# Altium PCB Telemetry Module PCB.PcbDoc (part 1 of 2) (continued)
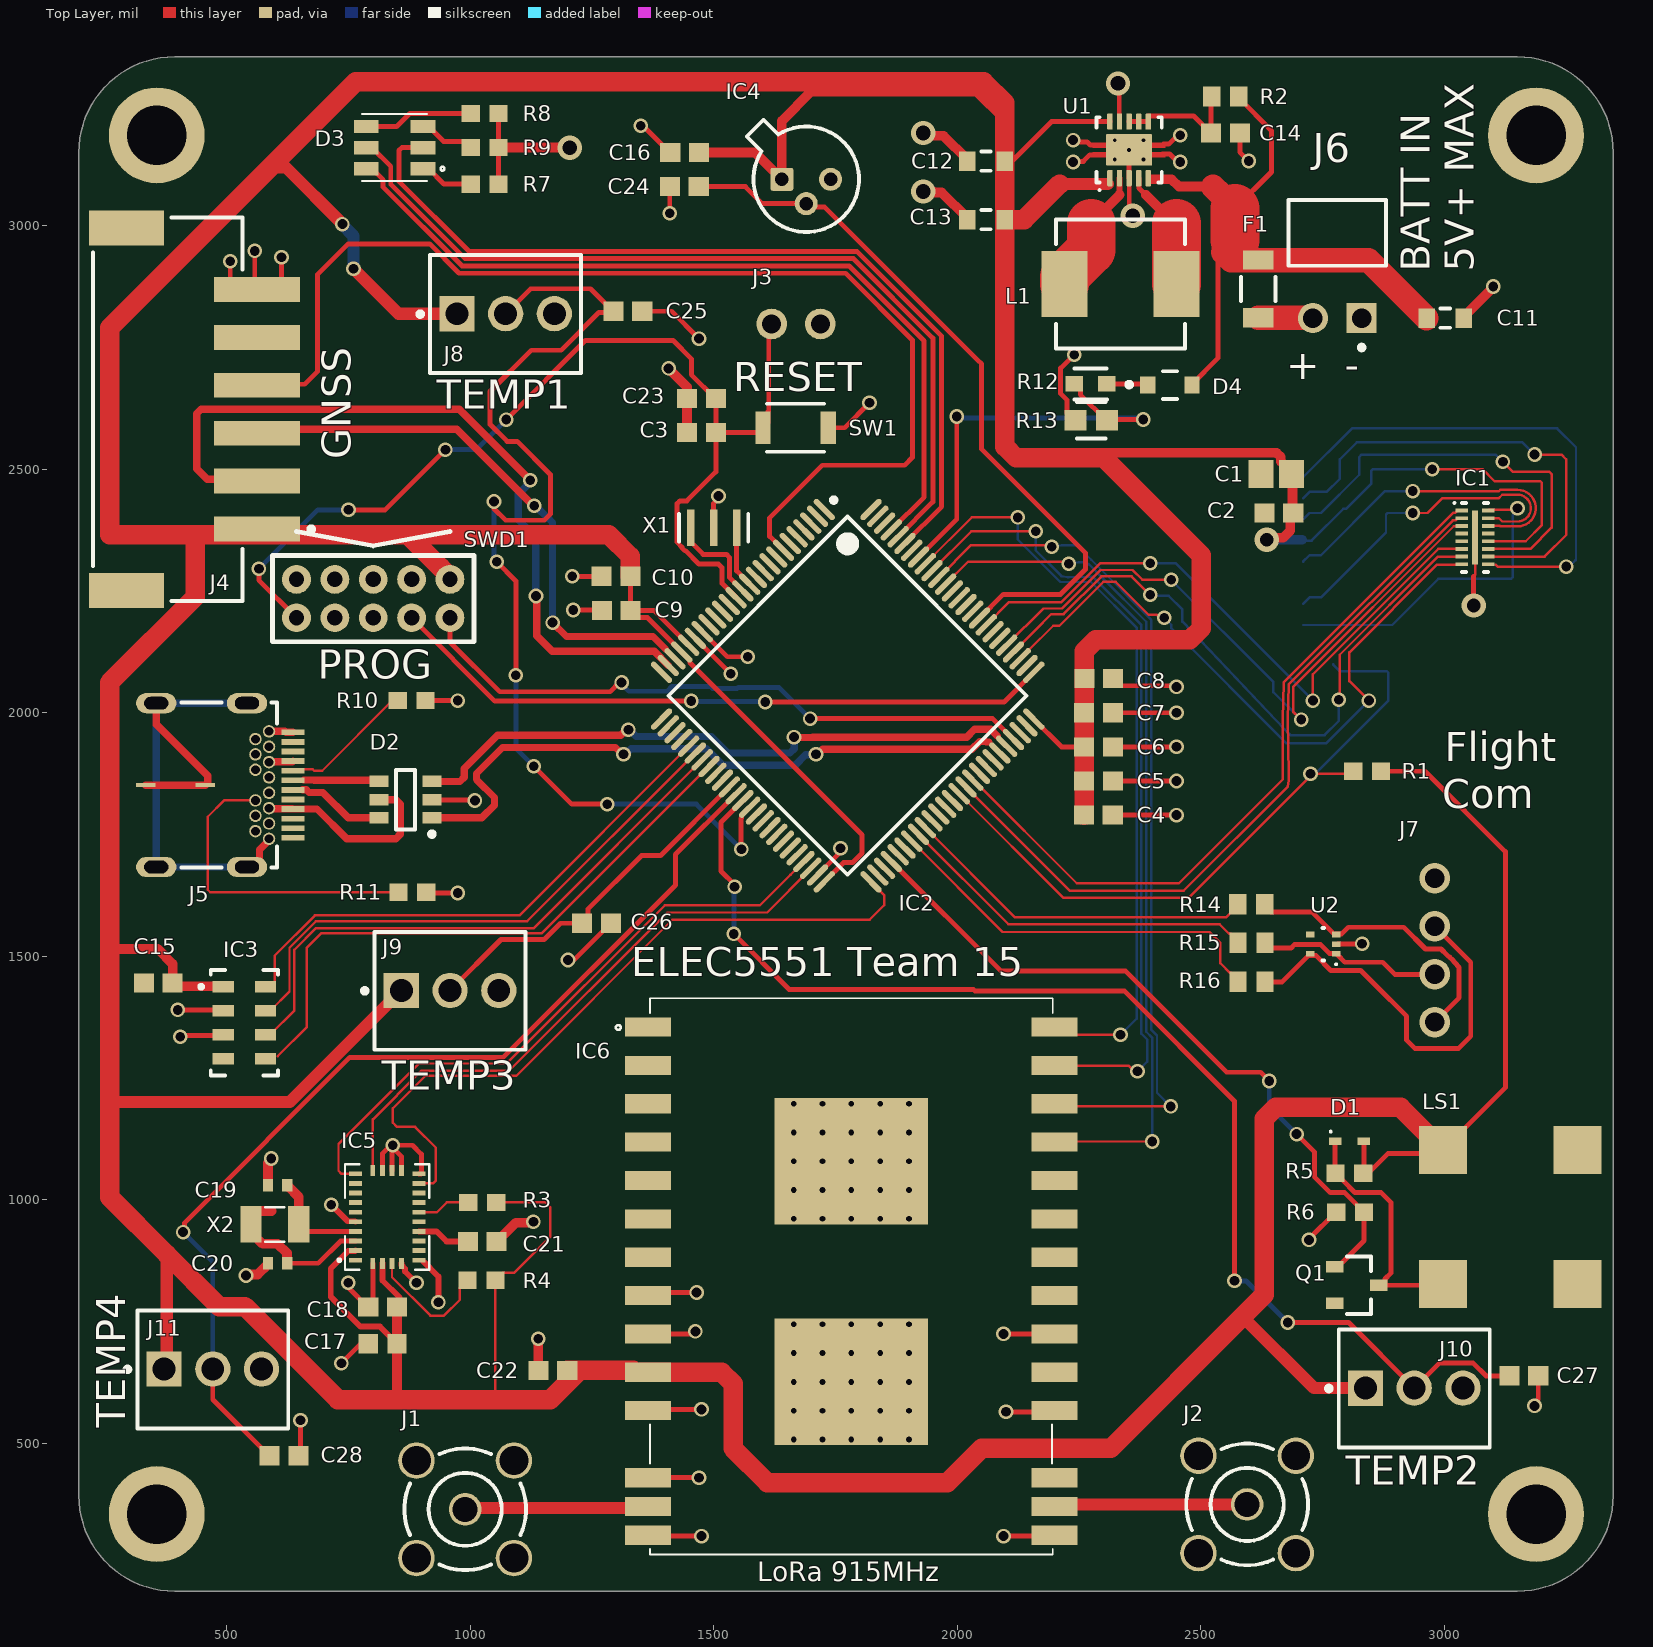
[diagram p0: Top Layer view]
## Footprints (in the part's own frame and the unit in brackets; to place one, negate y for a bottom-side part, rotate by r counter-clockwise, add the part's x,y. Pads: shape width x height; smd on the part's side, far side on the other; paste and mask are expansions set on the pad) (continued)
  rect 0.45x0.3 smd: 1(-0.675,0.5) 2(-0.675,0) 3(-0.675,-0.5) 4(0.675,-0.5) 5(0.675,0.5)
  silkscreen extent -0.72,-0.85 0.05,1.1, body extent -0.6,-0.8 0.6,0.8, height 0.6
PCB.SMAFST.J.A.HT-Footprint-1 [mm]
  round 1.7 hole 1.3: 1(0,0)
  round 1.9 hole 1.5: 2(-2.54,-2.54) 2(-2.54,2.54) 2(2.54,-2.54) 2(2.54,2.54)
  silkscreen extent -3.17,-3.17 3.17,3.17, body extent -3.5,-3.5 3.5,3.5, height 9
RESC1608X06N [mm] "Chip Resistor, 2-Leads, Body 1.60x0.80mm, IPC Medium Density"
  rect 0.95x0.9 smd: 1(-0.725,0) 2(0.725,0)
  body extent -0.85,-0.45 0.85,0.45, height 0.55
RESC1609X50X30ML8T20 [mm] "Chip Resistor, 2-Leads, Body 1.65x0.95mm, IPC Low Density"
  rect 0.9x1.05 smd: 1(-0.7,0) 2(0.7,0)
  body extent -0.82,-0.48 0.82,0.48, height 0.5
RFD900ux-Footprint-1 [mm]
  rect 2.4x1 smd: 1(-0.1,-1.5) 2(-0.1,-3.5) 3(-0.1,-5.5) 4(-0.1,-7.5) 5(-0.1,-9.5) 6(-0.1,-11.5) 7(-0.1,-13.5) 8(-0.1,-15.5) 9(-0.1,-17.5) 10(-0.1,-19.5) 11(-0.1,-21.5) 12(-0.1,-25) 13(-0.1,-26.5) 14(-0.1,-28) 15(21.1,-28) 16(21.1,-26.5) 17(21.1,-25) 18(21.1,-21.5) 19(21.1,-19.5) 20(21.1,-17.5) 21(21.1,-15.5) 22(21.1,-13.5) 23(21.1,-11.5) 24(21.1,-9.5) 25(21.1,-7.5) 26(21.1,-5.5) 27(21.1,-3.5) 28(21.1,-1.5)
  rect 8x6.6 smd paste-8: 29(10.5,-8.5) 30(10.5,-20)
  silkscreen extent -1.78,-29 21,0, body extent 0,-29 21,0, height 4.2
SODFL160X70-2N [mm] "SODFL, 2-Leads, Body 0.80x1.60mm, IPC Medium Density"
  rect 0.65x0.4 smd: 1(0.75,0) 2(-0.75,0)
  silkscreen extent -1.02,0.45 -0.93,0.55, body extent -0.8,-0.45 0.8,0.45, height 0.7
SON40P140X55_HS-17N [mm] "SON, 16-Leads, Body 3.30x1.35mm, Pitch 0.40mm, Thermal Pad 2.80x0.33mm, IPC Medium Density"
  rect 0.65x0.2 smd: 1(-0.69,1.4) 2(-0.69,1) 3(-0.69,0.6) 4(-0.69,0.2) 5(-0.69,-0.2) 6(-0.69,-0.6) 7(-0.69,-1) 8(-0.69,-1.4) 9(0.69,-1.4) 10(0.69,-1) 11(0.69,-0.6) 12(0.69,-0.2) 13(0.69,0.2) 14(0.69,0.6) 15(0.69,1) 16(0.69,1.4)
  rect 0.33x2.8 smd: 17(0,0)
  silkscreen extent -1.12,-1.8 0.68,1.85, body extent -0.72,-1.65 0.72,1.65, height 0.55
SOT95P230X110-3N [mm] "SOT23, 3-Leads, Body 2.90x2.30mm, Pitch 0.95mm, IPC Medium Density"
  rect 0.9x0.6 smd: 1(-1.15,0.95) 2(-1.15,-0.95) 3(1.15,0)
  silkscreen extent -0.5,-1.5 0.75,1.5, body extent -1.3,-1.5 1.3,1.5, height 1.1
SS-52400-003-Footprint-1 [mm]
  oval 1.05x2.1 hole 0.65 slot 1.25 at 90 deg: 0(-4.27,4.73) 0(-4.27,0) 0(4.27,4.73) 0(4.27,0)
  round 0.65 hole 0.45: 0(-2,5.88) 0(2,5.88) 1B(2.8,5.88) 2B(2.4,5.17) 3B(1.6,5.17) 4B(1.2,5.88) 5B(0.8,5.17) 6B(0.4,5.88) 7B(-0.4,5.88) 8B(-0.8,5.17) 9B(-1.2,5.88) 10B(-1.6,5.17) 11B(-2.4,5.17) 12B(-2.8,5.88)
  rect 0.2x1 smd: 0(0,2.55) 0(0,-0.55)
  rect 0.3x1.2 smd: 1A(-2.75,7.13) 2A(-2.25,7.13) 3A(-1.75,7.13) 4A(-1.25,7.13) 5A(-0.75,7.13) 6A(-0.25,7.13) 7A(0.25,7.13) 8A(0.75,7.13) 9A(1.25,7.13) 10A(1.75,7.13) 11A(2.25,7.13) 12A(2.75,7.13)
  silkscreen extent -4.3,1.3 4.3,6.3, body extent -4.37,-4.4 4.37,7.43, height 3.03
TSQFP50P1600X1600X160-100N [mm] "TSQFP, 100-Leads, Body 14.00x14.00mm, Pitch 0.50mm, IPC Medium Density"
  oval 1.45x0.3 smd: 1(-7.725,6) 2(-7.725,5.5) 3(-7.725,5) 4(-7.725,4.5) 5(-7.725,4) 6(-7.725,3.5) 7(-7.725,3) 8(-7.725,2.5) 9(-7.725,2) 10(-7.725,1.5) 11(-7.725,1) 12(-7.725,0.5) 13(-7.725,0) 14(-7.725,-0.5) 15(-7.725,-1) 16(-7.725,-1.5) 17(-7.725,-2) 18(-7.725,-2.5) 19(-7.725,-3) 20(-7.725,-3.5) 21(-7.725,-4) 22(-7.725,-4.5) 23(-7.725,-5) 24(-7.725,-5.5) 25(-7.725,-6) 51(7.725,-6) 52(7.725,-5.5) 53(7.725,-5) 54(7.725,-4.5) 55(7.725,-4) 56(7.725,-3.5) 57(7.725,-3) 58(7.725,-2.5) 59(7.725,-2) 60(7.725,-1.5) 61(7.725,-1) 62(7.725,-0.5) 63(7.725,0) 64(7.725,0.5) 65(7.725,1) 66(7.725,1.5) 67(7.725,2) 68(7.725,2.5) 69(7.725,3) 70(7.725,3.5) 71(7.725,4) 72(7.725,4.5) 73(7.725,5) 74(7.725,5.5) 75(7.725,6)
  oval 0.3x1.45 smd: 26(-6,-7.725) 27(-5.5,-7.725) 28(-5,-7.725) 29(-4.5,-7.725) 30(-4,-7.725) 31(-3.5,-7.725) 32(-3,-7.725) 33(-2.5,-7.725) 34(-2,-7.725) 35(-1.5,-7.725) 36(-1,-7.725) 37(-0.5,-7.725) 38(0,-7.725) 39(0.5,-7.725) 40(1,-7.725) 41(1.5,-7.725) 42(2,-7.725) 43(2.5,-7.725) 44(3,-7.725) 45(3.5,-7.725) 46(4,-7.725) 47(4.5,-7.725) 48(5,-7.725) 49(5.5,-7.725) 50(6,-7.725) 76(6,7.725) 77(5.5,7.725) 78(5,7.725) 79(4.5,7.725) 80(4,7.725) 81(3.5,7.725) 82(3,7.725) 83(2.5,7.725) 84(2,7.725) 85(1.5,7.725) 86(1,7.725) 87(0.5,7.725) 88(0,7.725) 89(-0.5,7.725) 90(-1,7.725) 91(-1.5,7.725) 92(-2,7.725) 93(-2.5,7.725) 94(-3,7.725) 95(-3.5,7.725) 96(-4,7.725) 97(-4.5,7.725) 98(-5,7.725) 99(-5.5,7.725) 100(-6,7.725)
  silkscreen extent -7.85,-6.6 6.6,6.82, body extent -8,-8 8,8, height 1.6
USBLC6-2SC6-Footprint-1 [mm]
  rect 1x0.6 smd: 1(-1.375,0.95) 2(-1.375,0) 3(-1.375,-0.95) 4(1.375,-0.95) 5(1.375,0) 6(1.375,0.95)
  silkscreen extent -1.5,-1.55 0.5,1.92, body extent -1.6,-1.53 1.6,1.53, height 1.45

## Part data
C1: library part CMP-00046-3, "CAP CER 10UF 10V X5R 0805", Capacitance=10uF, Case Code (Imperial)=0805, Case Code (Metric)=2012, Dielectric=X5R, Dielectric Material=Ceramic, JLC_PN=C15850, Max Operating Temperature=85°C, Min Operating Temperature=-55°C, Package Quantity=1, Tolerance=10%, Voltage=10V, Case/Package=0805, Contact Plating=Tin,Matte, Depth=1.25mm, Dissipation Factor=10%, Height=1.25mm, Length=2mm, Mount="Surface Mount", Number of Pins=2, Packaging="Tape and Reel", Radiation Hardening=No, REACH SVHC="No SVHC", Termination=SMD/SMT, Thickness=0.055inch, Voltage Rating=10V, Voltage Rating (DC)=10V, Width=1.2mm
C2 C3 C4 C5 C6 C7 C8 C14 C15 C16 C18 C22 C23 C24 C25 C26 C27 C28: library part CMP-00038-5, "Cap Ceramic 0.1uF 50V X7R 20% SMD 0603 125C T/R", Capacitance=100nF, Case Code (Imperial)=0603, Case Code (Metric)=1608, Dielectric=X7R, Dielectric Material=Ceramic, JLC_PN=C14663, Max Operating Temperature=125°C, Min Operating Temperature=-55°C, Package Quantity=1, Tolerance=20%, Voltage Rating=50V, Case/Package=0603, Contact Plating=Tin,Matte, Depth=0.8mm, Dissipation Factor=2.5%, Height=0.8mm, Lead Pitch=0.7mm, Length=1.6mm, Mount="Surface Mount,PCB", Packaging="Tape and Reel", Radiation Hardening=No, REACH SVHC="No SVHC", Termination=SMD/SMT, Thickness=0.034inch, Voltage Rating (DC)=50V, Width=0.031inch
C9 C21: library part CMP-00045-2, "Cap Ceramic 1uF 10V X5R 10% SMD 0603 85°C Paper T/R", Capacitance=1uF, Case Code (Imperial)=0603, Case Code (Metric)=1608, Dielectric=X5R, Dielectric Material=Ceramic, JLC_PN=C15849, Max Operating Temperature=85°C, Min Operating Temperature=-55°C, Package Quantity=1, Tolerance=10%, Voltage=10V, Case/Package=0603, Depth=0.8mm, Height=0.8mm, Lead Free="Lead Free", Length=1.6mm, Mount="Surface Mount", Number of Pins=2, Packaging="Tape and Reel", Radiation Hardening=No, REACH SVHC="No SVHC", Termination=SMD/SMT, Thickness=0.035inch, Voltage Rating=10V, Voltage Rating (DC)=10V, Weight=7.1E-05oz, Width=0.031inch
C10: library part CMP-00047-2, "Cap Ceramic 0.01uF 50V X7R 5% SMD 0603 125C Paper T/R", Capacitance=10nF, Case/Package=0603, Dielectric=X7R, JLC_PN=C57112, Max Operating Temperature=125°C, Min Operating Temperature=-55°C, Tolerance=5%, Depth=0.8mm, Height=0.8mm, Length=1.6mm, Mount="Surface Mount", Packaging="Tape and Reel", Radiation Hardening=No
C11 C12 C13: library part CMP-2000-05442-2, "CAP CER 10UF 25V X5R 0603", Case Code (Imperial)=0603, Case Code (Metric)=1608, Dielectric=X5R, Dielectric Material=Ceramic, Max Operating Temperature=85°C, Min Operating Temperature=-55°C, Package Quantity=1, Tolerance=20%, Voltage Rating=25V, Capacitance=10uF, Case/Package=0603, Construction=Flat, Depth=0.8mm, Height=0.8mm, Lead Free="Lead Free", Length=1.6mm, Mount="Surface Mount", Packaging="Tape and Reel", REACH SVHC="No SVHC", Resistor Type=Ceramic, RoHS Compliant=Yes, Series=C, Termination=SMD/SMT, Thickness=0.039inch, Voltage Rating (DC)=25V, Weight=7.1E-05oz, Width=0.8mm
C17: library part CMP-00213-1, "MLCC CAPACITOR, 0.12UF, 16V, X7R, 10%, 0603, FULL REEL; Product Range:C Series; Capacitance:0.12 F; Capacitance Tolerance: 10%; Dielectric Characteristic:X7R; Voltage Rating:16V; Ceramic Capacitor Case:0603 [1608 Metric] ;RoHS Compliant: Yes", Capacitance=120nF, Case Code (Imperial)=0603, Case Code (Metric)=1608, Dielectric=X7R, Dielectric Material=Ceramic, Max Operating Temperature=125°C, Min Operating Temperature=-55°C, Package Quantity=1, Tolerance=10%, Voltage Rating=16V, Case/Package=0603, Depth=0.8mm, Dissipation Factor=3.5%, Height=0.8mm, Lead Pitch=0.7mm, Length=1.6mm, Mount="Surface Mount", Packaging="Tape and Reel", Radiation Hardening=No, REACH SVHC="No SVHC", RoHS Compliant=Yes, Series=C, Termination=SMD/SMT, Thickness=0.034inch, Voltage Rating (DC)=16V, Width=0.031inch
C19 C20: library part CMP-00083-1, "CAP CER 22PF 50V C0G/NP0 0402", Capacitance=22pF, Case Code (Imperial)=0402, Case Code (Metric)=1005, Dielectric=C0G, Dielectric Material=Ceramic, Max Operating Temperature=125°C, Min Operating Temperature=-55°C, Package Quantity=1, Tolerance=10%, Voltage Rating=50V, Case/Package=0402, Depth=0.5mm, Dissipation Factor=0.1%, Height=0.5mm, Lead Free="Lead Free", Lead Pitch=0.3mm, Length=1mm, Mount="Surface Mount", Packaging="Tape and Reel", Radiation Hardening=No, REACH SVHC="No SVHC", Termination=SMD/SMT, Thickness=0.022inch, Voltage Rating (DC)=50V, Width=0.02inch
D1: library part CMP-00227-2, "ON SEMICONDUCTOR - RB521S30T1G - Small Signal Schottky Diode, Single, 30 V, 200 mA, 500 mV, 1 A, 125 °C", Average Rectified Current=200mA, Case/Package=SOD-523-2, Forward Voltage=500mV, Max Forward Surge Current (Ifsm)=1A, Max Operating Temperature=125°C, Max Repetitive Reverse Voltage (Vrrm)=30V, Max Reverse Current=30uA, Min Operating Temperature=-55°C, Package Quantity=1, Power Dissipation=200mW, Contact Plating=Tin,Matte, Current Rating=200mA, Element Configuration=Single, Forward Current=200mA, Height=0.7mm, Lead Free="Lead Free", Length=1.3mm, Max Reverse Leakage Current=30uA, Max Reverse Voltage (DC)=30V, Max Surge Current=1A, Number of Pins=2, Output Current=200mA, Packaging="Tape and Reel", Peak Non-Repetitive Surge Current=1A, Polarity=Standard, Radiation Hardening=No, REACH SVHC="No SVHC", RoHS Compliant=Yes, Voltage Rating (DC)=30V, Width=0.9mm
D2: library part CMP-00283-1, "USB ESD Supressor TVS DIODE 5.25V 17V SOT23-6", Breakdown Voltage=6V, Capacitance=3.5pF, Case/Package=SOT-23, Clamping Voltage=17V, Leakage Current=150nA, Max Operating Temperature=125°C, Min Operating Temperature=-40°C, Operating Supply Voltage=1.1V, Package Quantity=3000, Peak Pulse Current=5A, Power Line Protection=Yes, Reverse Standoff Voltage=5.25V, Test Current=1mA, Working Voltage=5V, Clamping Voltage-Max=17V, Contact Plating=Tin,Matte, Data Rate=480Mbps, Depth=1.75mm, Direction=Unidirectional,Bidirectional, Element Configuration=Dual, ESD Protection=Yes, Height=1.3mm, Lead Free="Lead Free", Length=3.05mm, Max Breakdown Voltage=6V, Max Reverse Leakage Current=150nA, Min Breakdown Voltage=6V, Mount="Surface Mount", Number of Bidirectional Channels=2, Number of Channels=2, Number of Elements=1, Number of Pins=6, Packaging="Tape and Reel", Polarity=Unidirectional,Bidirectional, Radiation Hardening=No, REACH SVHC="No SVHC", Reverse Breakdown Voltage=6V, RoHS Compliant=Yes, Series=USB, Termination=SMD/SMT, Width=1.75mm
D3: library part CMP-00027-2, "LED Multicolor Red/True Green/Blue 626nm/528nm/465nm 40mA/50mA/50mA 6-Pin SMD T/R"
D4: library part CMP-35905-000002-1, "DIODE SCHOTTKY 20V 300MA USC", Average Rectified Current=300mA, Case/Package=SOD, Max Operating Temperature=100°C, Max Repetitive Reverse Voltage (Vrrm)=25V, Max Reverse Voltage (DC)=20V, Min Operating Temperature=-40°C, Contact Plating=Tin, Element Configuration=Single, Forward Current=300mA, Mount="Surface Mount", Packaging="Tape and Reel"
F1: library part CMP-07400-000012-1, "PTC RESET FUSE 6V 1.1A 1206", Ambient Temperature Range High=+85°C, Ambient Temperature Range Low=-40°C, Current Rating=100A, Hold Current=1.1A, Manufacturer=Bourns, Resistance=0.06-0.2Ω, Temperature="-40°C to +85°C", Trip Current=2.2A, Voltage Rating=6V, Automotive=Yes, Automotive Grade="Grade 3", Category=Fuse, ComponentLink2Description=Datasheet, ComponentLink2URL=https://www.bourns.com/docs/Product-Datasheets/mfnsmf.pdf, Device Class L1="Circuit Protection", Device Class L2="PTC Resettable Fuses", Device Class L3=unset, Digikey Description="PTC RESET FUSE 6V 1.1A 1206", Height=0.7mm, Lead Free=Yes, Manufacturer Part Number=MF-NSMF110-2, Mouser Description="Resettable Fuses - PPTC 1.1A 6V 0.06ohm", Octopart=https://octopart.com/mf-nsmf110-2-bourns-41795, Package=MF-NSMF110-2, RoHS=TRUE, Temperature Range High=+85°C, Temperature Range Low=-40°C, Trip Time=0.1s
IC1: library part CMP-00015-3, "EMI Filter Flat Style SMD T/R", Capacitance=20pF, Case/Package=DFN, Clamping Voltage=9V, DC Resistance (DCR)=40R, Max Operating Temperature=85°C, Min Operating Temperature=-40°C, Operating Supply Voltage=5V, Package Quantity=1, Contact Plating=Tin,Matte, Depth=1.45mm, Direction=Bidirectional, ESD Protection=Yes, Halogen Free="Halogen Free", Height=0.022inch, Lead Free="Lead Free", Length=3.4mm, Number of Channels=6, Number of Lines=8, Number of Pins=16, Packaging="Tape and Reel", REACH SVHC="No SVHC", Termination=Flat, Width=1.35mm
IC2: library part CMP-00012-1, "STM32L Series 512 kB Flash 256 KB RAM SMT 32-Bit Microcontroller - LQFP-100"
IC3: library part CMP-00182-2, "SENSOR SOLUTIONS - TE CONNECTIVITY - MS561101BA03-50 - MS5611-BT M-CAPS 3X5X1MM T&R / T&R", Case/Package=SMD/SMT, Max Operating Temperature=85°C, Min Operating Temperature=-40°C, Operating Pressure=17.4PSI, Operating Supply Voltage=3.6V, Lead Free="Lead Free", Max Pressure=87.02PSI, Number of Pins=8, Output Type=SPI,I2C, Port Style="No Port", Pressure Type=Absolute, Termination=SMD/SMT
IC4: library part CMP-00206-1, "TEXAS INSTRUMENTS LM35DH/NOPB Temperature Sensor IC, Voltage,  0.6C, 0 C, +100 C, TO-46, 3 Pins", Case/Package=TO-46, Max Operating Temperature=110°C, Max Supply Voltage=30V, Min Operating Temperature=-40°C, Min Supply Voltage=4V, Nominal Supply Current=56.2uA, Output Current=10mA, Output Voltage=6V, Package Quantity=1000, Quiescent Current=56uA, Contact Plating=Copper,Tin,Silver, Interface=Analog, Lead Free="Lead Free", Mount="Through Hole", Number of Pins=3, Output Type="Analog Voltage,Voltage,Analog", Packaging=Bulk, Radiation Hardening=No, REACH SVHC="No SVHC"
IC5: library part CMP-00179-4, "IMU ACCEL/GYRO/MAG I2C 28LGA", Case/Package=LGA, JLC_PN=C93216, Max Operating Temperature=85°C, Min Operating Temperature=-40°C, Lead Free="Lead Free", Mount="Surface Mount", Output Type=I2C, Packaging="Tape and Reel", Sensor Type="Accelerometer,Gyroscope,Magnetometer,3 Axis"
IC6: library part CMP-00019-3, "Long range surface mount radio module 902-928Mhz"
J1 J2: library part CMP-00234-3, "CONN SMA JACK STR 50OHM PCB", Case/Package=SMA, Dielectric Material=PTFE, Frequency=12.4GHz, Housing Color=Gold, Insulation Resistance=5GR, Operating Frequency="0 to 12.4 GHz", Package Quantity=500, Voltage Rating=335V, Body Material=Brass, Body Plating=Gold, Center Contact Plating=Gold, Connector Type=SMA, Contact Material=Bronze, Contact Plating=Gold, Fastening Type=Threaded, Impedance=50R, Max Frequency=12.4GHz, Mount="Surface Mount", Orientation=Straight, Packaging=Tray, Plating=Gold, Polarity=Standard, Series=-, Termination=Solder
J3: library part CMP-00157-4, "KK 254 Breakaway Header, Vertical, 2 Circuits, Tin (Sn) Plating, Mating Pin Length 6.09mm 2 POS", Color=Black, Contact Resistance=20mR, Current Rating=4A, Flammability Rating="UL94 V-0", Max Operating Temperature=75°C, Max Voltage Rating (AC)=250V, Min Operating Temperature=0°C, Package Quantity=1, Connector Type="Male Pin", Contact Material=Brass,Bronze, Contact Mating Length=0.24inch, Contact Plating=Tin, Contact Type="Male Pin", Depth=2.49mm, Gender=Male, Glow Wire Compliant=Non-compliant, Housing Color=Black, Housing Material=Nylon, Lead Free="Lead Free", Max Voltage Rating (DC)=250V, Mount="Through Hole", Mounting Technology="Through Hole", Number of Circuits=2, Number Of Contacts=2, Number of Positions=2, Number of Rows=1, Orientation=Straight, Packaging=Bulk, Pitch=2.54mm, Radiation Hardening=No, REACH SVHC=Unknown, Series="KK® 42375", Termination=Solder, Voltage Rating=250V, Voltage Rating (DC)=250V
J4: library part CMP-17439-000164-1, "CONN HEADER SMD R/A 6POS 2.5MM", Color=Natural, Contact Resistance=20mR, Flammability Rating="UL94 V-0", Housing Color=Beige, Max Current Rating=3A, Max Operating Temperature=85°C, Max Voltage Rating (AC)=250V, Min Operating Temperature=-25°C, Package Quantity=1, Connector Type=Header, Contact Finish - Mating=TIN, Contact Material="Copper Alloy", Contact Plating=Copper, Contact Shape=Square, Contact Type="Male Pin", Depth=7mm, Fastening Type=Detent, Gender=Male, Housing Material=Polyamide, Insulation Color=Natural, Insulation Material=Nylon, Lead Free="Lead Free", Length=20mm, Mount="Surface Mount", Number Of Contacts=6, Number of Positions=6, Number of Rows=1, Orientation="Right Angle", Packaging="Tape and Reel", Pitch=2.5mm, REACH SVHC="No SVHC", Series=XH, Termination=Solder, Voltage Rating=250V
J5: library part CMP-00209-1, "USB Type-C Receptacle for 1.60mm PCB"
J6: library part CMP-04776-000166-1, "CONN HEADER R/A 2POS 2.54MM", Color=White, Contact Resistance=10mR, Current Rating=4A, Flammability Rating="UL94 V-0", Max Operating Temperature=75°C, Max Voltage Rating (AC)=250V, Min Operating Temperature=0°C, Package Quantity=3000, Approvals=UL, Contact Material=Brass, Contact Mating Length=0.264inch, Contact Plating=Tin, Contact Type="Male Pin", Depth=12.83mm, Fastening Type=Friction, Gender=Male, Glow Wire Compliant=Non-compliant, Halogen Free="Low Halogen", Height=6.35mm, Housing Color=White, Housing Material=Nylon, Lead Free="Lead Free", Length=5.08mm, Max Current Rating=4A, Mount="Through Hole", Number of Circuits=2, Number Of Contacts=2, Number of Positions=2, Number of Rows=1, Orientation="Right Angle", Packaging=Bulk, Pitch=2.54mm, Radiation Hardening=No, Series="KK® 7478", Termination=Solder, Voltage Rating=250V
J7: library part CMP-00280-1, "2.50mm Pitch Mini-Lock™ Wire-to-Board Header, Right Angle, Friction and Positive Lock, 4 Circuits", Case/Package=0410, Color=White, Contact Resistance=20mR, Current Rating=3A, Max Operating Temperature=105°C, Min Operating Temperature=-40°C, Package Quantity=1000, Voltage Rating=250V, Contact Gender=Male, Contact Material=Bronze, Contact Plating=Tin, Gender=Male, Glow Wire Compliant=Non-compliant, Housing Material=Polyester, Mount="Through Hole", Number of Circuits=4, Number Of Contacts=4, Number of Positions=4, Number of Rows=1, Orientation="Right Angle", Packaging=Tray, Pitch=2.5mm, Radiation Hardening=No, REACH SVHC="No SVHC", RoHS Compliant=Yes, Series=53426, Termination="Through Hole"
J8 J9 J10 J11: library part CMP-04776-000327-1, "CONN HEADER VERT 3POS 2.54MM", Color=Natural, Contact Resistance=10mR, Current Rating=4A, Housing Color=White, Max Operating Temperature=75°C, Min Operating Temperature=0°C, Voltage Rating=250V, Connector Type="Male Pin", Contact Material=Brass, Contact Mating Length=0.295inch, Contact Plating=Gold, Contact Type="Male Pin", Depth=5.8mm, Fastening Type=Friction, Gender=Male, Housing Material=Nylon, Lead Pitch=2.54mm, Length=7.62mm, Mount="Through Hole", Number Of Contacts=3, Number of Positions=3, Number of Rows=1, Orientation=Straight, Packaging=Bulk, Pitch=2.54mm, Radiation Hardening=No, RoHS Compliant=Yes, Series="KK® 6410", Termination=Solder, Working Voltage=250V
L1: library part CMP-02424-000562-1, "Commercial Inductors, High Saturation Series 2.2uH 6.5A 34mΩ 20%", Case Code (Imperial)=2525, Case Code (Metric)=6363, Current Rating=6.5A, DC Resistance (DCR)=34mR, Inductance Tolerance=20%, Max Operating Temperature=125°C, Min Operating Temperature=-55°C, Package Quantity=2000, Saturation Current=14A, Self Resonant Frequency=5MHz, Test Frequency=100kHz, Case/Package=2525, Contact Plating=Tin, Core Material=Metal, Depth=6.72mm, Height=2.4mm, Height - Seated (Max)=0.094inch, Inductance=2.2uH, Lead Free="Lead Free", Length=7.24mm, Max DC Current=6.5A, Military Standard=Not, Mount="Surface Mount", Number of Pins=2525, Packaging="Tape and Reel", Radiation Hardening=No, RMS Current (Irms)=6.5A, Shielding=Shielded, Termination=SMD/SMT, Tolerance=20%, Width=0.255inch
LS1: library part CMP-00287-1, "8.5 mm, 3.6 Vo-p, 85 dB, Surface Mount (SMT), Magnetic Audio Transducer Buzzer"
Q1: library part CMP-00122-3, "2N7002NXAK - 60 V, single N-channel Trench MOSFET", JLC_PN=C8545
R1 R3 R4 R6: library part CMP-00042-5, "VISHAY - CRCW060310K0FKEA - SMD Chip Resistor, 0603 [1608 Metric], 10 kohm, CRCW e3 Series, 75 V, Thick Film, 100 mW", Case Code (Imperial)=0603, Case Code (Metric)=1608, JLC_PN=C25804, Max Operating Temperature=155°C, Max Power Dissipation=100mW, Min Operating Temperature=-55°C, Package Quantity=10, Resistance=10kR, Temperature Coefficient=100ppm/°C, Tolerance=1%, Voltage Rating=75V, Case/Package=0603, Composition="Thick Film", Contact Plating=Tin,Lead, Depth=0.85mm, Features="Automotive AEC-Q200", Height=0.45mm, Lead Free="Lead Free", Length=1.55mm, Military Standard=Not, Number of Pins=2, Number of Terminations=2, Packaging="Tape and Reel", Power Rating=100mW, Radiation Hardening=No, REACH SVHC=Unknown, Termination=SMD/SMT, Voltage Rating (DC)=75V, Weight=7.1E-05oz, Width=0.033inch
R2 R14 R15 R16: library part CMP-2000-03824-5, "Chip Resistor, 100 Ohm, +/- 1%, 100 mW,-55 to 155 degC, 0603 (1608 Metric), RoHS, Tape and Ree", Manufacturer="Vishay Semiconductor", ComponentLink1Description="Manufacturer URL", ComponentLink1URL=http://www.vishay.com/, ComponentLink2Description=Datasheet, ComponentLink2URL=http://www.vishay.com/docs/20035/dcrcwe3.pdf, DatasheetVersion=06/2012, Mounting Technology="Surface Mount", PackageDescription="2-Pin Surface Mount Device, Body 1.575 x 0.85 mm", PackageReference=0603
R5 R7 R8 R9: library part CMP-00041-3, "VISHAY - CRCW06031K00FKEA - SMD Chip Resistor, 0603 [1608 Metric], 1 kohm, CRCW e3 Series, 75 V, Thick Film, 100 mW", Case Code (Imperial)=0603, Case Code (Metric)=1608, JLC_PN=C21190, Max Operating Temperature=155°C, Max Power Dissipation=100mW, Min Operating Temperature=-55°C, Package Quantity=10, Resistance=1kR, Temperature Coefficient=100ppm/°C, Tolerance=1%, Voltage Rating=75V, Case/Package=0603, Composition="Thick Film", Contact Plating=Tin, Depth=0.85mm, Features="Automotive AEC-Q200", Height=0.45mm, Lead Free="Lead Free", Length=1.55mm, Military Standard=Not, Mount="Surface Mount", Number of Pins=2, Number of Terminations=2, Packaging="Tape and Reel", Power Rating=100mW, Radiation Hardening=No, REACH SVHC=Unknown, Termination=SMD/SMT, Voltage Rating (DC)=75V, Weight=7.1E-05oz, Width=0.033inch
R10 R11: library part CMP-00220-2, "Res Thick Film 0603 5.1K Ohm 1% 1/10W ±100ppm/°C Molded SMD SMD Paper T/R", Case Code (Imperial)=0603, Case Code (Metric)=1608, JLC_PN=C23186, Max Operating Temperature=155°C, Max Power Dissipation=100mW, Min Operating Temperature=-55°C, Package Quantity=5000, Resistance Tolerance=1%, Resistor Type="Thick Film", Temperature Coefficient=100ppm/°C, Voltage Rating=75V, Case/Package=0603, Construction=Rectangular, Contact Plating=Tin, Depth=0.85mm, Features="Automotive AEC-Q200", Height=0.45mm, Lead Free="Lead Free", Length=1.55mm, Military Standard=Not, Number of Terminations=2, Packaging="Tape and Reel", Power Rating=100mW, Radiation Hardening=No, Reach SVHC Compliant=Unknown, RoHS Compliant=Yes, Series=CRCW, Technology="THICK FILM", Termination=SMD/SMT, Tolerance=1%, Voltage Rating (DC)=75V, Weight=7.1E-05oz, Width=0.85mm
R12: library part CMP-2000-04608-2, "RES SMD 10K OHM 0.5% 1/10W 0603", Manufacturer=Yageo, Manufacturer Part Number=RT0603DRE0710KL, Package=RT0603, Power Rating=0.1W, Resistance=10KΩ, Temperature="-55°C to +155°C", Temperature Coefficient="50 ppm/°C", Temperature Range High=+155°C, Temperature Range Low=-55°C, Tolerance=0.005, Voltage Rating=75V, Automotive=No, Category=Res, ComponentLink2Description=Datasheet, ComponentLink2URL=http://www.yageo.com/documents/recent/PYu-RT_1-to-0.01_RoHS_L_9.pdf, Composition="Thin Film", Device Class L1="Passive Components", Device Class L2=Resistors, Device Class L3="Chip SMD Resistors", Digikey Description="RES SMD 10K OHM 0.5% 1/10W 0603", Footprint Url=http://www.yageo.com/exep/pages/download/literatures/PYu-R_Mount_10.pdf, Height=0.55mm, Ipc Land Pattern Name=RESC16080X45, Lead Free=Yes, Mouser Description="Thin Film Resistors - SMD 10K ohm 0.5% 1/10W", Octopart=https://octopart.com/rt0603dre0710kl-yageo-1185844, RoHS=TRUE, Series=RT
R13: library part CMP-2000-03245-2, "RES Thick Film, 33kΩ, 1%, 0.1W, 100ppm/°C, 0603", Case Code (Imperial)=0603, Case Code (Metric)=1608, Max Operating Temperature=155°C, Max Power Dissipation=100mW, Min Operating Temperature=-55°C, Package Quantity=10, Resistance=33kR, Temperature Coefficient=100ppm/°C, Tolerance=1%, Voltage Rating=75V, Case/Package=0603, Composition="Thick Film", Contact Plating=Tin, Depth=0.85mm, Features="Automotive AEC-Q200", Height=0.45mm, Lead Free="Lead Free", Length=1.55mm, Military Standard=Not, Mount="Surface Mount", Number of Terminations=2, Packaging="Tape and Reel", Power Rating=100mW, Radiation Hardening=No, Termination=SMD/SMT, Voltage Rating (DC)=75V, Weight=7.1E-05oz, Width=0.033inch
SD1: library part CMP-00007-2, "MOLEX   502774-0891.   MEMORY CARD CONNECTOR, MICROSD, 8POS", Current Rating=500mA, Max Operating Temperature=85°C, Max Voltage Rating (DC)=1.01kV, Min Operating Temperature=-25°C, Package Quantity=1, Voltage Rating (AC)=10V, Connector Type=Connector, Contact Material="Copper Alloy,Copper", Contact Plating=Gold, Depth=16mm, Gender=Male, Halogen Free="Low Halogen", Height=1.8mm, Housing Material=Polymer, Length=14.6mm, Mount="Surface Mount,Reverse", Number of Circuits=8, Number Of Contacts=8, Number of Rows=1, Orientation="Right Angle", Packaging="Tape and Reel", Pitch=1.1mm, Radiation Hardening=No, REACH SVHC=Unknown, Termination=Solder, Width=1.8mm
SW1: library part CMP-00028-1, "SWITCH TACTILE SPST-NO 0.05A 12V", Contact Current Rating=50mA, Contact Resistance=100mR, Insulation Resistance=100MR, Max Operating Temperature=70°C, Max Voltage Rating (DC)=12V, Min Operating Temperature=-25°C, Operating Force=1.5N, Package Quantity=1, Ratings="Dust Proof,IP40", Actuator Length=0.4mm, Actuator Type=Standard, Contact Material=Silver, Current Rating=50mA, Depth=2.5mm, Electrical Life=200000Cycles, Height=1.2mm, Illumination Type=Non-Illuminated,Illuminated, Lead Free="Lead Free", Length=4mm, Max Current Rating=50mA, Mechanical Life=200000Cycles, Mount="Surface Mount", Orientation=Straight, Packaging="Tape and Reel", REACH SVHC=Unknown, Switch Function=Off-Mom, Switch Travel=0.15mm, Termination=SMD/SMT, Throw Configuration=SPST, Voltage Rating (DC)=12V, Weight=0.000776oz, Width=3mm
SWD1: library part CMP-00022-1, "CONN HEADER 2MM VERT AU 10POS", Color=Black, Contact Resistance=20mR, Current Rating=1A, Max Operating Temperature=105°C, Min Operating Temperature=-55°C, Package Quantity=500, Voltage Rating=650V, Connector Type="Male Pin", Contact Material=Bronze, Contact Mating Length=0.138inch, Contact Plating=Gold, Depth=4mm, Gender=Male, Housing Color=Black, Housing Material=Nylon, Length=10mm, Max Current Rating=1A, Mount="Through Hole", Number Of Contacts=10, Number of Positions=10, Number of Rows=2, Orientation=Straight, Packaging=Bulk, Pitch=2mm, Radiation Hardening=No, REACH SVHC="No SVHC", Row Spacing=0.079inch, Termination=Solder
U1: library part CMP-019-00049-1, "Switching Regulator, Current-mode, 0.8A, 1500kHz Switching Freq-Max, PDSO10", Case/Package=HVSON, Frequency=1.5MHz, Max Operating Temperature=85°C, Max Supply Voltage=5.5V, Min Operating Temperature=-40°C, Pins=10, RoHS Compliant=Yes
U2: library part CMP-1063-00192-1, "Quad Array for ESD Protection, 5-Pin SOT-553, Pb-Free, Tape and Reel", Manufacturer="On Semiconductor", C Max (pF)=90, ComponentLink1Description="Manufacturer URL", ComponentLink1URL=http://www.onsemi.com/, ComponentLink2Description=Datasheet, ComponentLink2URL=http://www.onsemi.com/pub_link/Collateral/NZQA5V6XV5T1-D.PDF, ComponentLink3Description="Package Specification", ComponentLink3URL=http://www.onsemi.com/pub_link/Collateral/NZQA5V6AXV5%20SERIES-D.PDF, DatasheetVersion="Rev. 3", Direction=Unidirectional, IR Max (uA)=1, Mounting Technology="Surface Mount", Number of Lines=4, PackageDescription="5-Pin Small Outline Transistor, Body 1.6 x 1.2 mm, Pitch 0.5 mm", PackageReference=SOT-553-5-463B_B, PackageVersion="Rev. B, 05/2005", Packing="Tape and Reel", PartNumber=NZQA5V6XV5T1G, PPK Max (W)=100, RoHS=Pb-Free, V(BR) Min (V)=5.32, VRWM Max (V)=3
X1: library part CMP-00029-1, "CER RES 16.0000MHZ 15PF SMD", Capacitance=15pF, Case/Package=SMD/SMT, Frequency=16MHz, Frequency Stability=0.3%, Frequency Tolerance=0.5%, Max Operating Temperature=85°C, Min Operating Temperature=-40°C, Composition=Ceramic, Impedance=40R, Mount="Surface Mount", Packaging="Tape and Reel"
X2: library part CMP-00187-2, "Crystal; Ulta-Mini; 3.2 x 1.5 x 0.9mm; 32.768KHZ; 12.5pf; 20ppm -40+85C; SMD; T/R", Case/Package=CSMD, ESR (Equivalent Series Resistance)=70kR, Frequency=32.768kHz, Frequency Tolerance=20ppm, JLC_PN=C130253, Load Capacitance=12.5pF, Max Operating Temperature=85°C, Min Operating Temperature=-40°C, Package Quantity=3000, Depth=1.5mm, Height=0.035inch, Lead Free="Lead Free", Length=3.2mm, Number of Pins=2, Packaging="Tape and Reel", Radiation Hardening=No, REACH SVHC="No SVHC", Series Resistance=70kR, Termination=SMD/SMT, Tolerance=20ppm, Width=0.061inch

## Free pads (board coordinates)
  round 196.85 hole 122.05: MOUNT(357,355) MOUNT(357,3185) MOUNT(3188,355) MOUNT(3188,3185)

## Via types
v1: diameter 30, hole 20, Top Layer to Bottom Layer, 111 vias
v2: diameter 19.68, hole 11.81, Top Layer to Bottom Layer, 50 vias
v3: diameter 50, hole 30, Top Layer to Bottom Layer, 5 vias
v4: diameter 19.68, hole 7.87, Top Layer to Bottom Layer, 5 vias
v5: diameter 50, hole 28, Top Layer to Bottom Layer, 2 vias